# Altium PCB nRF52840-kit.PcbDoc (part 4 of 5)
Units mm, origin at the board's own origin, x right, y up, seen from the top; angles counter-clockwise.
Board outline 48 x 29.82 mm, 4 copper layers (Top Layer, Mid-Layer 1, Mid-Layer 2, Bottom Layer), stack 1.505 mm thick; 383 components, 85 nets, 1399 pads, 1434 vias.
Unrouted connection lines stored in the file: 8.
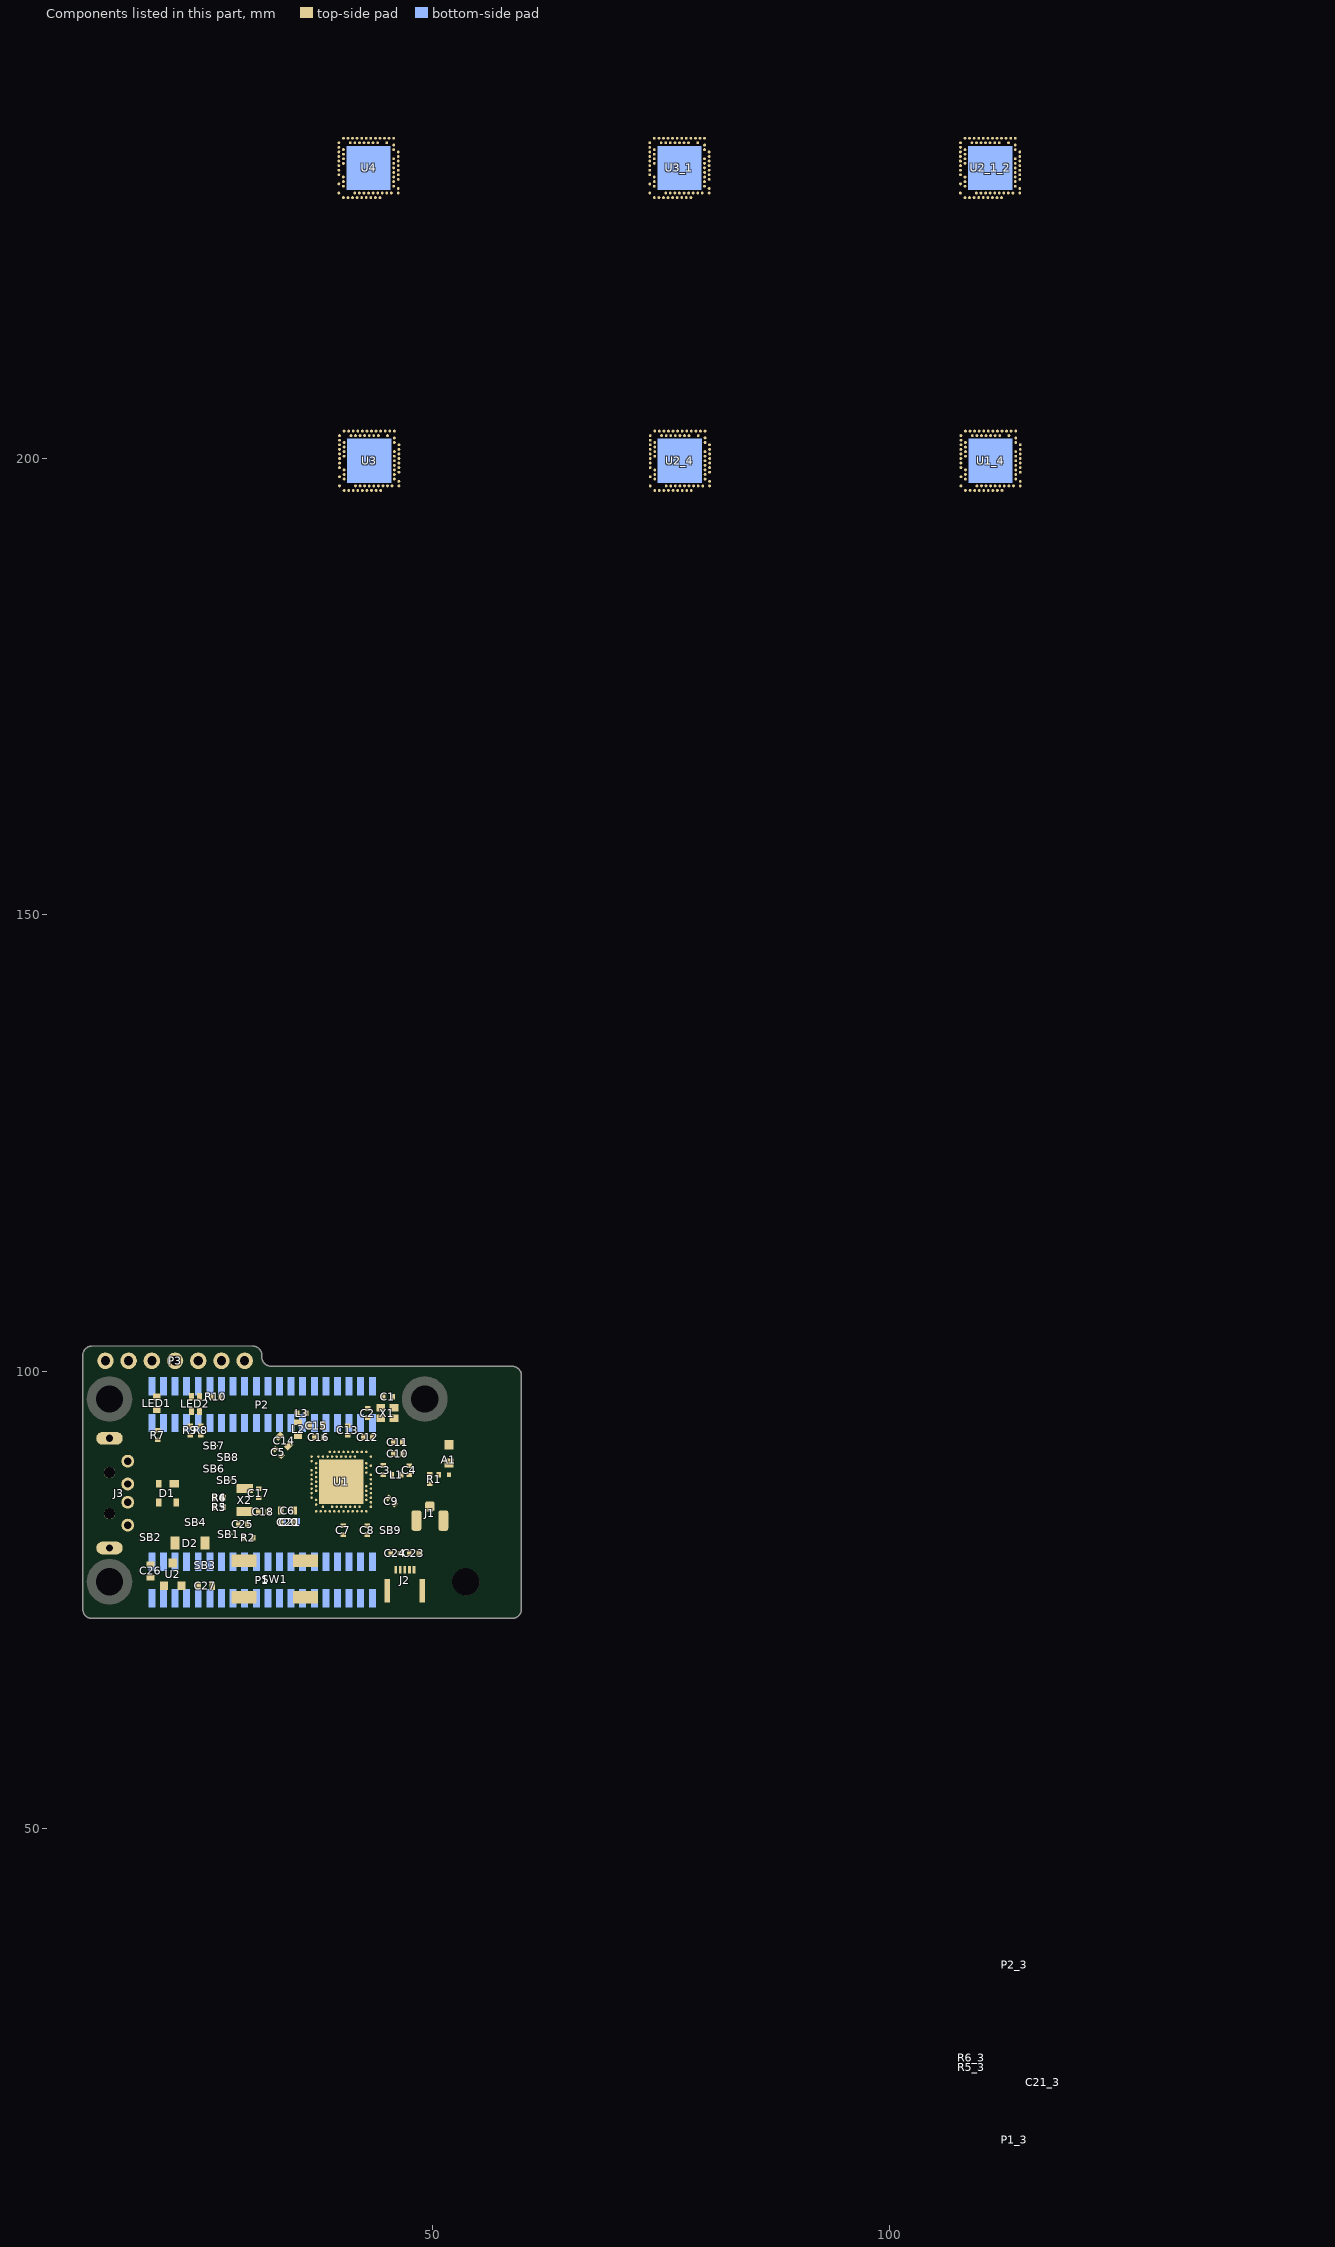
[diagram p6: the components of this part, seen from the top]

## Via types
v1: diameter 0.6, hole 0.3, Top Layer to Bottom Layer, tented both sides, 828 vias
v2: diameter 0.45, hole 0.2, Top Layer to Bottom Layer, tented both sides, 384 vias
v3: diameter 0.4, hole 0.2, Top Layer to Bottom Layer, tented bottom, 126 vias
v4: diameter 0.61, hole 0.305, Top Layer to Bottom Layer, tented bottom, 96 vias

## Nets (pads, with @x,y where several pads share a name; then routed paths per layer and width w, separated by ;. In a path a pad name is that pad's centre, name@x,y a point inside that pad or via, vN(x,y) a via of type N, cw(c..) or ccw(c..) an arc to the next point about the centre after c; other vN are vias at no path point) (continued)
copper on no net: (continued)
  Mid-Layer 2 w0.203: v1(21.539,23.903) 22.351,23.09 v1(25.247,23.09) ; v1(22.214,145.703) 23.026,144.89 v1(25.922,144.89) ; v1(27.067,24.144) 27.176,24.253 cw(c27.71,23.719) 27.71,24.474 cw(c27.71,23.113) 28.672,24.076 ; v1(27.067,25.16) 27.176,25.051 ccw(c27.71,25.585) 27.71,24.83 cw(c27.71,23.113) 28.924,24.327 31.475,21.776 ccw(c33.271,23.573) 33.271,21.033 33.793,21.033 ccw(c33.793,21.77) v1(34.314,21.248) ; v1(27.742,145.944) 27.851,146.053 cw(c28.385,145.519) 28.385,146.274 cw(c28.385,144.913) 29.347,145.876 31.898,143.325 ccw(c33.946,145.373) 33.946,142.477 34.468,142.477 cw(c34.468,141.74) v1(34.989,142.261) ; v1(27.742,146.96) 27.851,146.851 ccw(c28.385,147.385) 28.385,146.63 cw(c28.385,144.913) 29.599,146.127 32.15,143.576 ccw(c33.946,145.373) 33.946,142.833 34.468,142.833 ccw(c34.468,143.57) v1(34.989,143.048) ; 28.673,24.075 31.223,21.525 ccw(c33.271,23.573) 33.271,20.677 33.793,20.677 cw(c33.793,19.94) v1(34.314,20.461) ; v1(103.411,145.617) 104.223,144.804 v1(107.119,144.804) ; v1(103.836,85.042) 104.648,84.229 v1(107.544,84.229) ; v1(103.874,23.678) 104.686,22.865 v1(107.582,22.865) ; v1(108.939,145.858) 109.048,145.967 cw(c109.582,145.433) 109.582,146.188 cw(c109.582,144.827) 110.544,145.79 113.095,143.239 ccw(c115.143,145.287) 115.143,142.391 115.665,142.391 cw(c115.665,141.654) v1(116.186,142.175) ; v1(108.939,146.874) 109.048,146.765 ccw(c109.582,147.299) 109.582,146.544 cw(c109.582,144.827) 110.796,146.041 113.347,143.49 ccw(c115.143,145.287) 115.143,142.747 115.665,142.747 ccw(c115.665,143.484) v1(116.186,142.962) ; v1(109.364,85.283) 109.473,85.392 cw(c110.007,84.858) 110.007,85.613 cw(c110.007,84.252) 110.969,85.215 113.52,82.664 ccw(c115.568,84.712) 115.568,81.816 116.09,81.816 cw(c116.09,81.079) v1(116.611,81.6) ; v1(109.364,86.299) 109.473,86.19 ccw(c110.007,86.724) 110.007,85.969 cw(c110.007,84.252) 111.221,85.466 113.772,82.915 ccw(c115.568,84.712) 115.568,82.172 116.09,82.172 ccw(c116.09,82.909) v1(116.611,82.387) ; v1(109.402,23.919) 109.511,24.028 cw(c110.045,23.494) 110.045,24.249 cw(c110.045,22.888) 111.007,23.851 113.558,21.3 ccw(c115.606,23.348) 115.606,20.452 116.128,20.452 cw(c116.128,19.715) v1(116.649,20.236) ; v1(109.402,24.935) 109.511,24.826 ccw(c110.045,25.36) 110.045,24.605 cw(c110.045,22.888) 111.259,24.102 113.81,21.551 ccw(c115.606,23.348) 115.606,20.808 116.128,20.808 ccw(c116.128,21.545) v1(116.649,21.023)
  Bottom Layer w0.152: v1(22.389,31.134) 22.647,30.876 v1(25.501,30.876) ; v1(23.064,152.934) 23.322,152.676 v1(26.176,152.676) ; v1(24.294,16.635) 24.294,18.159 ; v1(24.969,138.435) 24.969,139.959 ; 25.564,18.159 25.564,16.762 v1(25.818,16.508) ; 25.564,33.357 v2(25.564,34.944) ; 26.239,139.959 26.239,138.562 v1(26.493,138.308) ; 26.239,155.157 v2(26.239,156.744) ; v2(26.821,16.651) 26.834,16.664 26.834,18.159 ; v1(26.834,28.373) 26.834,33.357 v2(26.834,34.944) ; v2(27.496,138.451) 27.509,138.464 27.509,139.959 ; v1(27.509,150.173) 27.509,155.157 v2(27.509,156.744) ; v1(28.034,27.248) 29.374,28.588 v2(29.374,31.642) 29.374,33.357 ; v2(28.091,15.635) 28.104,15.648 28.104,18.159 ; v2(28.104,34.944) 28.104,33.357 28.118,33.344 v1(28.118,29.583) ; v1(28.709,149.048) 30.049,150.388 v2(30.049,153.442) 30.049,155.157 ; v2(28.766,137.435) 28.779,137.448 28.779,139.959 ; v2(28.779,156.744) 28.779,155.157 28.793,155.144 v1(28.793,151.383) ; v2(29.361,15.635) 29.361,18.145 29.374,18.159 ; v2(30.036,137.435) 30.036,139.945 30.049,139.959 ; v2(30.631,15.635) 30.644,15.648 30.644,18.159 ; v2(30.644,31.642) 30.644,33.357 ; v2(30.644,35.833) 30.644,37.357 ; v2(31.306,137.435) 31.319,137.448 31.319,139.959 ; v2(31.319,153.442) 31.319,155.157 ; v2(31.319,157.633) 31.319,159.157 ; v2(31.901,15.635) 31.901,18.145 31.914,18.159 ; v2(31.914,31.642) 31.914,33.357 ; v2(31.914,35.833) 31.914,37.357 ; v2(32.576,137.435) 32.576,139.945 32.589,139.959 ; v2(32.589,153.442) 32.589,155.157 ; v2(32.589,157.633) 32.589,159.157 ; v2(33.171,15.635) 33.184,15.648 33.184,18.159 ; v2(33.184,35.833) 33.184,37.357 ; v2(33.846,137.435) 33.859,137.448 33.859,139.959 ; v2(33.859,157.633) 33.859,159.157 ; v2(34.441,15.635) 34.441,18.145 34.454,18.159 ; v2(34.454,35.833) 34.454,37.357 ; v2(35.116,137.435) 35.116,139.945 35.129,139.959 ; v2(35.129,157.633) 35.129,159.157 ; v2(35.711,15.635) 35.711,14.172 35.724,14.159 ; 35.724,18.159 35.736,18.171 v2(35.736,19.826) ; v2(35.724,35.833) 35.724,37.357 ; v2(36.386,137.435) 36.386,135.972 36.399,135.959 ; 36.399,139.959 36.411,139.971 v2(36.411,141.626) ; v2(36.399,157.633) 36.399,159.157 ; v2(36.74,35.833) 36.994,36.087 36.994,37.357 ; v2(36.981,15.635) 36.981,14.172 36.994,14.159 ; v2(36.981,19.826) 36.981,18.172 36.994,18.159 ; 36.994,33.357 36.994,34.571 v2(37.362,34.939) ; v2(37.415,157.633) 37.669,157.887 37.669,159.157 ; v2(37.656,137.435) 37.656,135.972 37.669,135.959 ; v2(37.656,141.626) 37.656,139.972 37.669,139.959 ; 37.669,155.157 37.669,156.371 v2(38.037,156.739) ; v2(38.01,35.833) 38.264,36.087 38.264,37.357 ; v2(38.251,15.635) 38.251,14.172 38.264,14.159 ; v1(38.251,19.851) 38.251,18.172 38.264,18.159 ; 38.264,33.357 38.264,34.698 v2(38.505,34.939) ; v2(38.685,157.633) 38.939,157.887 38.939,159.157 ; v2(38.926,137.435) 38.926,135.972 38.939,135.959 ; v1(38.926,141.651) 38.926,139.972 38.939,139.959 ; 38.939,155.157 38.939,156.498 v2(39.18,156.739) ; v2(39.394,34.939) 39.534,34.799 39.534,33.357 ; v2(39.521,16.676) 39.534,16.689 39.534,18.159 ; 39.534,14.159 39.534,14.683 40.918,16.067 43.506,16.067 44.079,16.64 44.079,21.897 43.306,22.671 v2(43.306,23.153) ; 39.534,37.357 39.534,36.087 v2(39.788,35.833) ; v2(40.069,156.739) 40.209,156.599 40.209,155.157 ; v2(40.196,138.476) 40.209,138.489 40.209,139.959 ; 40.209,135.959 40.209,136.483 41.593,137.867 44.181,137.867 44.754,138.44 44.754,143.697 43.981,144.471 v2(43.981,144.953) ; 40.209,159.157 40.209,157.887 v2(40.463,157.633) ; v2(40.537,34.939) 40.804,34.672 40.804,33.357 ; v2(40.791,16.651) 40.804,16.664 40.804,18.159 ; 40.804,14.159 40.791,14.172 40.791,14.67 41.909,15.787 43.622,15.787 44.358,16.524 44.358,22.341 v2(44.525,22.341) ; 40.804,37.357 40.804,36.087 v2(41.058,35.833) ; v2(41.212,156.739) 41.479,156.472 41.479,155.157 ; v2(41.466,138.451) 41.479,138.464 41.479,139.959 ; 41.479,135.959 41.466,135.972 41.466,136.47 42.584,137.587 44.297,137.587 45.033,138.324 45.033,144.141 v2(45.2,144.141) ; 41.479,159.157 41.479,157.887 v2(41.733,157.633) ; v2(41.807,34.939) 42.074,34.672 42.074,33.357 ; v2(42.061,16.651) 42.074,16.664 42.074,18.159 ; 42.074,14.159 42.074,14.683 42.874,15.483 43.712,15.483 45.033,16.803 45.033,22.569 44.83,22.772 v2(44.83,23.458) ; 42.074,37.357 42.074,36.087 v2(42.328,35.833) ; v2(42.482,156.739) 42.749,156.472 42.749,155.157 ; v2(42.736,138.451) 42.749,138.464 42.749,139.959 ; 42.749,135.959 42.749,136.483 43.549,137.283 44.387,137.283 45.708,138.603 45.708,144.369 45.505,144.572 v2(45.505,145.258) ; 42.749,159.157 42.749,157.887 v2(43.003,157.633) ; v2(43.09,35.833) 43.344,36.087 43.344,37.357 ; v2(43.331,16.651) 43.344,16.664 43.344,18.159 ; 43.344,14.159 43.344,14.708 45.363,16.727 v2(45.363,23.001) ; 43.344,33.357 43.344,32.64 43.433,32.551 v2(44.169,32.551) ; v2(43.765,157.633) 44.019,157.887 44.019,159.157 ; v2(44.006,138.451) 44.019,138.464 44.019,139.959 ; 44.019,135.959 44.019,136.508 46.038,138.527 v2(46.038,144.801) ; 44.019,155.157 44.019,154.44 44.108,154.351 v2(44.844,154.351) ; v1(104.261,152.848) 104.519,152.59 v1(107.373,152.59) ; v1(104.686,92.273) 104.944,92.015 v1(107.798,92.015) ; v1(104.724,30.909) 104.982,30.651 v1(107.836,30.651) ; v1(106.166,138.349) 106.166,139.873 ; v1(106.591,77.774) 106.591,79.298 ; v1(106.629,16.41) 106.629,17.934 ; 107.436,139.873 107.436,138.476 v1(107.69,138.222) ; 107.436,155.071 v2(107.436,156.658) ; 107.861,79.298 107.861,77.901 v1(108.115,77.647) ; 107.861,94.496 v2(107.861,96.083) ; 107.899,17.934 107.899,16.537 v1(108.153,16.283) ; 107.899,33.132 v2(107.899,34.719) ; v2(108.693,138.365) 108.706,138.378 108.706,139.873 ; v1(108.706,150.087) 108.706,155.071 v2(108.706,156.658) ; v2(109.118,77.79) 109.131,77.803 109.131,79.298 ; v1(109.131,89.512) 109.131,94.496 v2(109.131,96.083) ; v2(109.156,16.426) 109.169,16.439 109.169,17.934 ; v1(109.169,28.148) 109.169,33.132 v2(109.169,34.719) ; v1(109.906,148.962) 111.246,150.302 v2(111.246,153.356) 111.246,155.071 ; v2(109.963,137.349) 109.976,137.362 109.976,139.873 ; v2(109.976,156.658) 109.976,155.071 109.99,155.058 v1(109.99,151.297) ; v1(110.331,88.387) 111.671,89.727 v2(111.671,92.781) 111.671,94.496 ; v1(110.369,27.023) 111.709,28.363 v2(111.709,31.417) 111.709,33.132 ; v2(110.388,76.774) 110.401,76.787 110.401,79.298 ; v2(110.401,96.083) 110.401,94.496 110.415,94.483 v1(110.415,90.722) ; v2(110.426,15.41) 110.439,15.423 110.439,17.934 ; v2(110.439,34.719) 110.439,33.132 110.453,33.119 v1(110.453,29.358) ; v2(111.233,137.349) 111.233,139.859 111.246,139.873 ; v2(111.658,76.774) 111.658,79.284 111.671,79.298 ; v2(111.696,15.41) 111.696,17.921 111.709,17.934 ; v2(112.503,137.349) 112.516,137.362 112.516,139.873 ; v2(112.516,153.356) 112.516,155.071 ; v2(112.516,157.547) 112.516,159.071 ; v2(112.928,76.774) 112.941,76.787 112.941,79.298 ; v2(112.941,92.781) 112.941,94.496 ; v2(112.941,96.972) 112.941,98.496 ; v2(112.966,15.41) 112.979,15.423 112.979,17.934 ; v2(112.979,31.417) 112.979,33.132 ; v2(112.979,35.608) 112.979,37.132 ; v2(113.773,137.349) 113.773,139.859 113.786,139.873 ; v2(113.786,153.356) 113.786,155.071 ; v2(113.786,157.547) 113.786,159.071 ; v2(114.198,76.774) 114.198,79.284 114.211,79.298 ; v2(114.211,92.781) 114.211,94.496 ; v2(114.211,96.972) 114.211,98.496 ; v2(114.236,15.41) 114.236,17.921 114.249,17.934 ; v2(114.249,31.417) 114.249,33.132 ; v2(114.249,35.608) 114.249,37.132 ; v2(115.043,137.349) 115.056,137.362 115.056,139.873 ; v2(115.056,157.547) 115.056,159.071 ; v2(115.468,76.774) 115.481,76.787 115.481,79.298 ; v2(115.481,96.972) 115.481,98.496 ; v2(115.506,15.41) 115.519,15.423 115.519,17.934 ; v2(115.519,35.608) 115.519,37.132 ; v2(116.313,137.349) 116.313,139.859 116.326,139.873 ; v2(116.326,157.547) 116.326,159.071 ; v2(116.738,76.774) 116.738,79.284 116.751,79.298 ; v2(116.751,96.972) 116.751,98.496 ; v2(116.776,15.41) 116.776,17.921 116.789,17.934 ; v2(116.789,35.608) 116.789,37.132 ; v2(117.583,137.349) 117.583,135.886 117.596,135.873 ; 117.596,139.873 117.608,139.885 v2(117.608,141.54) ; v2(117.596,157.547) 117.596,159.071 ; v2(118.008,76.774) 118.008,75.311 118.021,75.298 ; 118.021,79.298 118.033,79.31 v2(118.033,80.965) ; v2(118.021,96.972) 118.021,98.496 ; v2(118.046,15.41) 118.046,13.947 118.059,13.934 ; 118.059,17.934 118.071,17.946 v2(118.071,19.601) ; v2(118.059,35.608) 118.059,37.132 ; v2(118.612,157.547) 118.866,157.801 118.866,159.071 ; v2(118.853,137.349) 118.853,135.886 118.866,135.873 ; v2(118.853,141.54) 118.853,139.886 118.866,139.873 ; 118.866,155.071 118.866,156.285 v2(119.234,156.653) ; v2(119.037,96.972) 119.291,97.226 119.291,98.496 ; v2(119.075,35.608) 119.329,35.862 119.329,37.132 ; v2(119.278,76.774) 119.278,75.311 119.291,75.298 ; v2(119.278,80.965) 119.278,79.311 119.291,79.298 ; 119.291,94.496 119.291,95.71 v2(119.659,96.078) ; v2(119.316,15.41) 119.316,13.947 119.329,13.934 ; v2(119.316,19.601) 119.316,17.947 119.329,17.934 ; 119.329,33.132 119.329,34.346 v2(119.697,34.714) ; v2(119.882,157.547) 120.136,157.801 120.136,159.071 ; v2(120.123,137.349) 120.123,135.886 120.136,135.873 ; v1(120.123,141.565) 120.123,139.886 120.136,139.873 ; 120.136,155.071 120.136,156.412 v2(120.377,156.653) ; v2(120.307,96.972) 120.561,97.226 120.561,98.496 ; v2(120.345,35.608) 120.599,35.862 120.599,37.132 ; v2(120.548,76.774) 120.548,75.311 120.561,75.298 ; v1(120.548,80.99) 120.548,79.311 120.561,79.298 ; 120.561,94.496 120.561,95.837 v2(120.802,96.078) ; v2(120.586,15.41) 120.586,13.947 120.599,13.934 ; v1(120.586,19.626) 120.586,17.947 120.599,17.934 ; 120.599,33.132 120.599,34.473 v2(120.84,34.714) ; v2(121.266,156.653) 121.406,156.513 121.406,155.071 ; v2(121.393,138.39) 121.406,138.403 121.406,139.873 ; 121.406,135.873 121.406,136.397 122.79,137.781 125.378,137.781 125.951,138.354 125.951,143.611 125.178,144.385 v2(125.178,144.867) ; 121.406,159.071 121.406,157.801 v2(121.66,157.547) ; v2(121.691,96.078) 121.831,95.938 121.831,94.496 ; v2(121.729,34.714) 121.869,34.574 121.869,33.132 ; v2(121.818,77.815) 121.831,77.828 121.831,79.298 ; 121.831,75.298 121.831,75.822 123.215,77.206 125.803,77.206 126.376,77.779 126.376,83.036 125.603,83.81 v2(125.603,84.292) ; 121.831,98.496 121.831,97.226 v2(122.085,96.972) ; v2(121.856,16.451) 121.869,16.464 121.869,17.934 ; 121.869,13.934 121.869,14.458 123.253,15.842 125.841,15.842 126.414,16.415 126.414,21.672 125.641,22.446 v2(125.641,22.928) ; 121.869,37.132 121.869,35.862 v2(122.123,35.608) ; v2(122.409,156.653) 122.676,156.386 122.676,155.071 ; v2(122.663,138.365) 122.676,138.378 122.676,139.873 ; 122.676,135.873 122.663,135.886 122.663,136.384 123.781,137.501 125.494,137.501 126.23,138.238 126.23,144.055 v2(126.397,144.055) ; 122.676,159.071 122.676,157.801 v2(122.93,157.547) ; v2(122.834,96.078) 123.101,95.811 123.101,94.496 ; v2(122.872,34.714) 123.139,34.447 123.139,33.132 ; v2(123.088,77.79) 123.101,77.803 123.101,79.298 ; 123.101,75.298 123.088,75.311 123.088,75.809 124.206,76.926 125.919,76.926 126.655,77.663 126.655,83.48 v2(126.822,83.48) ; 123.101,98.496 123.101,97.226 v2(123.355,96.972) ; v2(123.126,16.426) 123.139,16.439 123.139,17.934 ; 123.139,13.934 123.126,13.947 123.126,14.445 124.244,15.562 125.957,15.562 126.693,16.299 126.693,22.116 v2(126.86,22.116) ; 123.139,37.132 123.139,35.862 v2(123.393,35.608) ; v2(123.679,156.653) 123.946,156.386 123.946,155.071 ; v2(123.933,138.365) 123.946,138.378 123.946,139.873 ; 123.946,135.873 123.946,136.397 124.746,137.197 125.584,137.197 126.905,138.517 126.905,144.283 126.702,144.486 v2(126.702,145.172) ; 123.946,159.071 123.946,157.801 v2(124.2,157.547) ; v2(124.104,96.078) 124.371,95.811 124.371,94.496 ; v2(124.142,34.714) 124.409,34.447 124.409,33.132 ; v2(124.358,77.79) 124.371,77.803 124.371,79.298 ; 124.371,75.298 124.371,75.822 125.171,76.622 126.009,76.622 127.33,77.942 127.33,83.708 127.127,83.911 v2(127.127,84.597) ; 124.371,98.496 124.371,97.226 v2(124.625,96.972) ; v2(124.396,16.426) 124.409,16.439 124.409,17.934 ; 124.409,13.934 124.409,14.458 125.209,15.258 126.047,15.258 127.368,16.578 127.368,22.344 127.165,22.547 v2(127.165,23.233) ; 124.409,37.132 124.409,35.862 v2(124.663,35.608) ; v2(124.962,157.547) 125.216,157.801 125.216,159.071 ; v2(125.203,138.365) 125.216,138.378 125.216,139.873 ; 125.216,135.873 125.216,136.422 127.235,138.441 v2(127.235,144.715) ; 125.216,155.071 125.216,154.354 125.305,154.265 v2(126.041,154.265) ; v2(125.387,96.972) 125.641,97.226 125.641,98.496 ; v2(125.425,35.608) 125.679,35.862 125.679,37.132 ; v2(125.628,77.79) 125.641,77.803 125.641,79.298 ; 125.641,75.298 125.641,75.847 127.66,77.866 v2(127.66,84.14) ; 125.641,94.496 125.641,93.779 125.73,93.69 v2(126.466,93.69) ; v2(125.666,16.426) 125.679,16.439 125.679,17.934 ; 125.679,13.934 125.679,14.483 127.698,16.502 v2(127.698,22.776) ; 125.679,33.132 125.679,32.415 125.768,32.326 v2(126.504,32.326)
  Bottom Layer w0.203: 21.754,18.159 21.856,18.26 ccw(c20.997,19.119) 22.211,19.119 22.211,21.517 cw(c24.751,21.517) 22.955,23.314 23.727,24.086 cw(c25.524,22.29) 25.524,24.83 25.564,24.83 ccw(c25.564,25.247) 25.859,24.952 26.067,25.16 ; 22.429,139.959 22.531,140.06 ccw(c21.672,140.919) 22.886,140.919 22.886,143.317 cw(c25.426,143.317) 23.63,145.114 24.402,145.886 cw(c26.199,144.09) 26.199,146.63 26.239,146.63 ccw(c26.239,147.047) 26.534,146.752 26.742,146.96 ; 23.024,18.159 22.922,18.26 cw(c23.781,19.119) 22.567,19.119 22.567,21.223 cw(c25.462,21.223) 23.415,23.27 23.95,23.806 cw(c25.564,22.192) 25.564,24.474 cw(c25.564,24.057) 25.859,24.352 26.067,24.144 ; 23.699,139.959 23.597,140.06 cw(c24.456,140.919) 23.242,140.919 23.242,143.023 cw(c26.137,143.023) 24.09,145.07 24.625,145.606 cw(c26.239,143.992) 26.239,146.274 cw(c26.239,145.857) 26.534,146.152 26.742,145.944 ; 35.123,22.493 v1(35.948,22.493) ; 35.798,144.293 v1(36.623,144.293) ; v1(37.248,30.88) 41.464,30.88 42.861,29.483 v1(44.487,29.483) ; v1(37.923,152.68) 42.139,152.68 43.536,151.283 v1(45.162,151.283) ; 103.626,139.873 103.728,139.974 ccw(c102.869,140.833) 104.083,140.833 104.083,143.231 cw(c106.623,143.231) 104.827,145.028 105.599,145.8 cw(c107.396,144.004) 107.396,146.544 107.436,146.544 ccw(c107.436,146.961) 107.731,146.666 107.939,146.874 ; 104.051,79.298 104.153,79.399 ccw(c103.294,80.258) 104.508,80.258 104.508,82.656 cw(c107.048,82.656) 105.252,84.453 106.024,85.225 cw(c107.821,83.429) 107.821,85.969 107.861,85.969 ccw(c107.861,86.386) 108.156,86.091 108.364,86.299 ; 104.089,17.934 104.191,18.035 ccw(c103.332,18.894) 104.546,18.894 104.546,21.292 cw(c107.086,21.292) 105.29,23.089 106.062,23.861 cw(c107.859,22.065) 107.859,24.605 107.899,24.605 ccw(c107.899,25.022) 108.194,24.727 108.402,24.935 ; 104.896,139.873 104.794,139.974 cw(c105.653,140.833) 104.439,140.833 104.439,142.937 cw(c107.334,142.937) 105.287,144.984 105.822,145.52 cw(c107.436,143.906) 107.436,146.188 cw(c107.436,145.771) 107.731,146.066 107.939,145.858 ; 105.321,79.298 105.219,79.399 cw(c106.078,80.258) 104.864,80.258 104.864,82.362 cw(c107.759,82.362) 105.712,84.409 106.247,84.945 cw(c107.861,83.331) 107.861,85.613 cw(c107.861,85.196) 108.156,85.491 108.364,85.283 ; 105.359,17.934 105.257,18.035 cw(c106.116,18.894) 104.902,18.894 104.902,20.998 cw(c107.797,20.998) 105.75,23.045 106.285,23.581 cw(c107.899,21.967) 107.899,24.249 cw(c107.899,23.832) 108.194,24.127 108.402,23.919 ; 116.995,144.207 v1(117.82,144.207) ; 117.42,83.632 v1(118.245,83.632) ; 117.458,22.268 v1(118.283,22.268) ; v1(119.12,152.594) 123.336,152.594 124.733,151.197 v1(126.359,151.197) ; v1(119.545,92.019) 123.761,92.019 125.158,90.622 v1(126.784,90.622) ; v1(119.583,30.655) 123.799,30.655 125.196,29.258 v1(126.822,29.258)
  Bottom Layer w0.762: 18.11,37.357 19.214,37.357 20.484,37.357 21.754,37.357 23.024,37.357 24.294,37.357 ; 18.785,159.157 19.889,159.157 21.159,159.157 22.429,159.157 23.699,159.157 24.969,159.157 ; 19.214,14.159 20.484,14.159 21.754,14.159 23.024,14.159 ; 19.889,135.959 21.159,135.959 22.429,135.959 23.699,135.959 ; 99.982,159.071 101.086,159.071 102.356,159.071 103.626,159.071 104.896,159.071 106.166,159.071 ; 100.407,98.496 101.511,98.496 102.781,98.496 104.051,98.496 105.321,98.496 106.591,98.496 ; 100.445,37.132 101.549,37.132 102.819,37.132 104.089,37.132 105.359,37.132 106.629,37.132 ; 101.086,135.873 102.356,135.873 103.626,135.873 104.896,135.873 ; 101.511,75.298 102.781,75.298 104.051,75.298 105.321,75.298 ; 101.549,13.934 102.819,13.934 104.089,13.934 105.359,13.934
  other v1: 100.295,12.52 128.514,12.52 131.054,12.52 133.594,12.52 17.96,12.745 46.179,12.745 48.719,12.745 51.259,12.745 104.089,13.383 105.359,13.383 21.754,13.608 23.024,13.608 96.987,13.732 14.652,13.957 132.324,14.044 133.594,14.044 95.587,14.232 49.989,14.269 51.259,14.269 98.287,14.332 13.252,14.457 104.089,14.526 105.359,14.526 15.952,14.557 21.754,14.751 23.024,14.751 128.235,14.775 130.235,14.775 45.9,15 47.9,15 109.464,15.212 133.594,15.314 27.129,15.437 51.259,15.539 94.987,15.732 98.915,15.743 12.652,15.957 16.58,15.968 100.523,16.05 103.698,16.152 18.188,16.275 21.363,16.377 132.324,16.584 133.594,16.584 49.989,16.809 51.259,16.809 95.487,17.132 98.387,17.132 101.549,17.32 102.819,17.32 13.152,17.357 16.052,17.357 19.214,17.545 20.484,17.545 96.987,17.732 131.054,17.854 133.594,17.854 14.652,17.957 48.719,18.079 51.259,18.079 101.549,18.59 102.819,18.59 19.214,18.815 20.484,18.815 132.324,19.124 133.594,19.124 49.989,19.349 51.259,19.349 110.963,19.53 28.628,19.755 130.673,20.013 48.338,20.238 128.26,20.267 133.594,20.394 45.925,20.492 102.632,20.572 51.259,20.619 20.297,20.797 131.943,21.156 49.608,21.381 102.438,21.511 109.007,21.588 130.165,21.664 133.594,21.664 20.103,21.736 26.672,21.813 101.587,21.848 47.83,21.889 51.259,21.889 19.252,22.073 102.438,22.146 103.073,22.146 20.103,22.371 20.738,22.371 131.054,22.934 132.578,22.934 48.719,23.159 50.243,23.159 128.387,23.315 114.925,23.34 100.6,23.467 46.052,23.54 32.59,23.565 18.265,23.692 117.932,24.305 133.594,24.331 35.597,24.53 51.259,24.556 130.546,24.712 112.284,24.89 117.342,24.911 48.211,24.937 29.949,25.115 35.007,25.136 96.79,25.448 133.594,25.601 14.455,25.673 51.259,25.826 107.254,26.083 24.919,26.308 105.68,26.337 128.768,26.49 131.054,26.49 133.594,26.49 23.345,26.562 46.433,26.715 48.719,26.715 51.259,26.715 112.969,27.201 30.634,27.426 107.28,27.455 24.945,27.68 110.81,28.344 128.768,28.522 131.054,28.522 133.594,28.522 28.475,28.569 46.433,28.747 48.719,28.747 51.259,28.747 102.887,28.948 20.552,29.173 105.248,29.182 22.913,29.407 132.324,29.538 133.594,29.538 49.989,29.763 51.259,29.763 117.678,30.274 35.343,30.499 131.054,30.554 133.594,30.554 124.917,30.655 48.719,30.779 51.259,30.779 42.582,30.88 109.82,31.316 27.485,31.541 132.324,31.824 133.594,31.824 49.989,32.049 51.259,32.049 128.26,32.205 45.925,32.43 130.445,32.611 48.11,32.836 100.787,32.948 133.594,33.094 18.452,33.173 51.259,33.319 96.987,33.732 131.487,33.732 14.652,33.957 49.152,33.957 95.587,34.232 130.087,34.232 98.287,34.332 132.787,34.332 133.594,34.364 13.252,34.457 47.752,34.457 15.952,34.557 50.452,34.557 51.259,34.589 104.079,34.796 21.744,35.021 111.649,35.1 29.314,35.325 94.987,35.732 129.487,35.732 98.915,35.743 133.415,35.743 12.652,35.957 16.58,35.968 47.152,35.957 51.08,35.968 100.318,36.784 17.983,37.009 127.498,37.031 95.487,37.132 98.387,37.132 129.987,37.132 132.887,37.132 133.587,37.148 45.163,37.256 13.152,37.357 16.052,37.357 47.652,37.357 50.552,37.357 51.252,37.373 100.318,37.419 17.983,37.644 96.987,37.732 131.487,37.732 14.652,37.957 49.152,37.957 100.318,38.054 17.983,38.279 100.318,38.689 115.814,38.748 120.894,38.748 125.974,38.748 128.514,38.748 131.054,38.748 133.587,38.748 17.983,38.914 33.479,38.973 38.559,38.973 43.639,38.973 46.179,38.973 48.719,38.973 51.252,38.973 102.819,40.942 107.899,40.942 20.484,41.167 25.564,41.167 100.257,73.884 128.476,73.884 131.016,73.884 133.556,73.884 104.051,74.747 105.321,74.747 96.949,75.096 132.286,75.408 133.556,75.408 95.549,75.596 98.249,75.696 104.051,75.89 105.321,75.89 128.197,76.139 130.197,76.139 109.426,76.576 133.556,76.678 94.949,77.096 98.877,77.107 100.485,77.414 103.66,77.516 132.286,77.948 133.556,77.948 95.449,78.496 98.349,78.496 101.511,78.684 102.781,78.684 96.949,79.096 131.016,79.218 133.556,79.218 101.511,79.954 102.781,79.954 132.286,80.488 133.556,80.488 110.925,80.894 130.635,81.377 128.222,81.631 133.556,81.758 102.594,81.936 131.905,82.52 102.4,82.875 108.969,82.952 130.127,83.028 133.556,83.028 101.549,83.212 102.4,83.51 103.035,83.51 131.016,84.298 132.54,84.298 128.349,84.679 114.887,84.704 100.562,84.831 117.894,85.669 133.556,85.695 130.508,86.076 112.246,86.254 117.304,86.275 96.752,86.812 133.556,86.965 107.216,87.447 105.642,87.701 128.73,87.854 131.016,87.854 133.556,87.854 112.931,88.565 107.242,88.819 110.772,89.708 128.73,89.886 131.016,89.886 133.556,89.886 102.849,90.312 105.21,90.546 132.286,90.902 133.556,90.902 117.64,91.638 131.016,91.918 133.556,91.918 124.879,92.019 109.782,92.68 132.286,93.188 133.556,93.188 128.222,93.569 130.407,93.975 100.749,94.312 133.556,94.458 96.949,95.096 131.449,95.096 95.549,95.596 130.049,95.596 98.249,95.696 132.749,95.696 133.556,95.728 104.041,96.16 111.611,96.464 94.949,97.096 98.877,97.107 129.449,97.096 133.377,97.107 100.28,98.148 127.46,98.395 95.449,98.496 98.349,98.496 129.949,98.496 132.849,98.496 133.549,98.512 100.28,98.783 96.949,99.096 131.449,99.096 100.28,99.418 100.28,100.053 115.776,100.112 120.856,100.112 125.936,100.112 128.476,100.112 131.016,100.112 133.549,100.112 102.781,102.306 107.861,102.306 99.832,134.459 128.051,134.459 130.591,134.459 133.131,134.459 18.635,134.545 46.854,134.545 49.394,134.545 51.934,134.545 103.626,135.322 104.896,135.322 22.429,135.408 23.699,135.408 96.524,135.671 15.327,135.757 131.861,135.983 133.131,135.983 50.664,136.069 51.934,136.069 95.124,136.171 13.927,136.257 97.824,136.271 16.627,136.357 103.626,136.465 104.896,136.465 22.429,136.551 23.699,136.551 127.772,136.714 129.772,136.714 46.575,136.8 48.575,136.8 109.001,137.151 27.804,137.237 133.131,137.253 51.934,137.339 94.524,137.671 98.452,137.682 13.327,137.757 17.255,137.768 100.06,137.989 18.863,138.075 103.235,138.091 22.038,138.177 131.861,138.523 133.131,138.523 50.664,138.609 51.934,138.609 95.024,139.071 97.924,139.071 13.827,139.157 16.727,139.157 101.086,139.259 102.356,139.259 19.889,139.345 21.159,139.345 96.524,139.671 15.327,139.757 130.591,139.793 133.131,139.793 49.394,139.879 51.934,139.879 101.086,140.529 102.356,140.529 19.889,140.615 21.159,140.615 131.861,141.063 133.131,141.063 50.664,141.149 51.934,141.149 110.5,141.469 29.303,141.555 130.21,141.952 49.013,142.038 127.797,142.206 46.6,142.292 133.131,142.333 51.934,142.419 102.169,142.511 20.972,142.597 131.48,143.095 50.283,143.181 101.975,143.45 20.778,143.536 108.544,143.527 27.347,143.613 129.702,143.603 133.131,143.603 48.505,143.689 51.934,143.689 101.124,143.787 19.927,143.873 101.975,144.085 102.61,144.085 20.778,144.171 21.413,144.171 130.591,144.873 132.115,144.873 49.394,144.959 50.918,144.959 127.924,145.254 114.462,145.279 46.727,145.34 33.265,145.365 100.137,145.406 18.94,145.492 117.469,146.244 133.131,146.27 36.272,146.33 51.934,146.356 130.083,146.651 48.886,146.737 111.821,146.829 116.879,146.85 30.624,146.915 35.682,146.936 96.327,147.387 15.13,147.473 133.131,147.54 51.934,147.626 106.791,148.022 25.594,148.108 105.217,148.276 24.02,148.362 128.305,148.429 130.591,148.429 133.131,148.429 47.108,148.515 49.394,148.515 51.934,148.515 112.506,149.14 31.309,149.226 106.817,149.394 25.62,149.48 110.347,150.283 29.15,150.369 128.305,150.461 130.591,150.461 133.131,150.461 47.108,150.547 49.394,150.547 51.934,150.547 102.424,150.887 21.227,150.973 104.785,151.121 23.588,151.207 131.861,151.477 133.131,151.477 50.664,151.563 51.934,151.563 117.215,152.213 36.018,152.299 130.591,152.493 133.131,152.493 49.394,152.579 51.934,152.579 124.454,152.594 43.257,152.68 109.357,153.255 28.16,153.341 131.861,153.763 133.131,153.763 50.664,153.849 51.934,153.849 127.797,154.144 46.6,154.23 129.982,154.55 48.785,154.636 100.324,154.887 19.127,154.973 133.131,155.033 51.934,155.119 96.524,155.671 131.024,155.671 15.327,155.757 49.827,155.757 95.124,156.171 129.624,156.171 13.927,156.257 48.427,156.257 97.824,156.271 132.324,156.271 133.131,156.303 16.627,156.357 51.127,156.357 51.934,156.389 103.616,156.735 22.419,156.821 111.186,157.039 29.989,157.125 94.524,157.671 98.452,157.682 129.024,157.671 132.952,157.682 13.327,157.757 47.827,157.757 17.255,157.768 51.755,157.768 99.855,158.723 18.658,158.809 127.035,158.97 45.838,159.056 95.024,159.071 97.924,159.071 129.524,159.071 132.424,159.071 133.124,159.087 13.827,159.157 16.727,159.157 48.327,159.157 51.227,159.157 51.927,159.173 99.855,159.358 18.658,159.444 96.524,159.671 131.024,159.671 15.327,159.757 49.827,159.757 99.855,159.993 18.658,160.079 99.855,160.628 115.351,160.687 120.431,160.687 125.511,160.687 128.051,160.687 130.591,160.687 133.124,160.687 18.658,160.714 34.154,160.773 39.234,160.773 44.314,160.773 46.854,160.773 49.394,160.773 51.927,160.773 102.356,162.881 107.436,162.881 21.159,162.967 26.239,162.967
  other v2: 105.375,12.317 110.455,12.317 115.535,12.317 118.075,12.317 120.615,12.317 123.155,12.317 125.695,12.317 23.04,12.542 28.12,12.542 33.2,12.542 35.74,12.542 38.28,12.542 40.82,12.542 43.36,12.542 128.135,17.975 45.8,18.2 105.987,20.548 23.652,20.773 124.829,21.265 42.494,21.49 122.516,22.649 103.687,22.848 40.181,22.874 21.352,23.073 105.337,73.681 110.417,73.681 115.497,73.681 118.037,73.681 120.577,73.681 123.117,73.681 125.657,73.681 128.097,79.339 105.949,81.912 124.791,82.629 122.478,84.013 103.649,84.212 104.912,134.256 109.992,134.256 115.072,134.256 117.612,134.256 120.152,134.256 122.692,134.256 125.232,134.256 23.715,134.342 28.795,134.342 33.875,134.342 36.415,134.342 38.955,134.342 41.495,134.342 44.035,134.342 127.672,139.914 46.475,140 105.524,142.487 24.327,142.573 124.366,143.204 43.169,143.29 122.053,144.588 40.856,144.674 103.224,144.787 22.027,144.873
  other v4: 120.475,24.901 121.675,24.901 122.875,24.901 124.075,24.901 38.14,25.126 39.34,25.126 40.54,25.126 41.74,25.126 120.475,26.101 121.675,26.101 122.875,26.101 124.075,26.101 38.14,26.326 39.34,26.326 40.54,26.326 41.74,26.326 120.475,27.301 121.675,27.301 124.075,27.301 38.14,27.526 39.34,27.526 41.74,27.526 120.475,28.501 121.675,28.501 122.875,28.501 124.075,28.501 38.14,28.726 39.34,28.726 40.54,28.726 41.74,28.726 120.437,86.265 121.637,86.265 122.837,86.265 124.037,86.265 120.437,87.465 121.637,87.465 122.837,87.465 124.037,87.465 120.437,88.665 121.637,88.665 124.037,88.665 120.437,89.865 121.637,89.865 122.837,89.865 124.037,89.865 120.012,146.84 121.212,146.84 122.412,146.84 123.612,146.84 38.815,146.926 40.015,146.926 41.215,146.926 42.415,146.926 120.012,148.04 121.212,148.04 122.412,148.04 123.612,148.04 38.815,148.126 40.015,148.126 41.215,148.126 42.415,148.126 120.012,149.24 121.212,149.24 123.612,149.24 38.815,149.326 40.015,149.326 42.415,149.326 120.012,150.44 121.212,150.44 122.412,150.44 123.612,150.44 38.815,150.526 40.015,150.526 41.215,150.526 42.415,150.526

## Polygon pours and split planes (outlines as drawn)
no net on Mid-Layer 2 "Mid Layer 2-VDD" (solid, remove dead copper, pour order 40): 9.894,165.263 62.394,165.263 62.394,130.263 9.894,130.263
no net on Mid-Layer 2 "Mid Layer 2-VDD" (solid, remove dead copper, pour order 32): 91.091,165.177 143.591,165.177 143.591,130.177 91.091,130.177
VDD_nRF on Mid-Layer 2 "Mid Layer 2-VDD" (solid, remove dead copper, pour order 4): 9.24,104.515 61.74,104.515 61.74,69.515 9.24,69.515
no net on Mid-Layer 2 "Mid Layer 2-VDD" (solid, remove dead copper, pour order 8): 91.516,104.602 144.016,104.602 144.016,69.602 91.516,69.602
no net on Mid-Layer 2 "Mid Layer 2-VDD" (solid, remove dead copper, pour order 16): 9.219,43.463 61.719,43.463 61.719,8.463 9.219,8.463
no net on Mid-Layer 2 "Mid Layer 2-VDD" (solid, remove dead copper, pour order 24): 91.554,43.238 144.054,43.238 144.054,8.238 91.554,8.238
no net on Mid-Layer 1 "Mid Layer 1-GND" (solid, remove dead copper, pour order 42): 9.894,165.263 62.394,165.263 62.394,130.263 9.894,130.263
no net on Mid-Layer 1 "Mid Layer 1-GND" (solid, remove dead copper, pour order 34): 91.091,165.177 143.591,165.177 143.591,130.177 91.091,130.177
GND on Mid-Layer 1 "Mid Layer 1-GND" (solid, remove dead copper, pour order 6): 9.24,104.515 61.74,104.515 61.74,69.515 9.24,69.515
no net on Mid-Layer 1 "Mid Layer 1-GND" (solid, remove dead copper, pour order 10): 91.516,104.602 144.016,104.602 144.016,69.602 91.516,69.602
no net on Mid-Layer 1 "Mid Layer 1-GND" (solid, remove dead copper, pour order 18): 9.219,43.463 61.719,43.463 61.719,8.463 9.219,8.463
no net on Mid-Layer 1 "Mid Layer 1-GND" (solid, remove dead copper, pour order 26): 91.554,43.238 144.054,43.238 144.054,8.238 91.554,8.238
no net on Bottom Layer "Bottom Layer-GND" (solid, remove dead copper, pour order 44): 7.192,129.734 62.192,129.734 62.192,164.734 7.192,164.734
no net on Bottom Layer "Bottom Layer-GND" (solid, remove dead copper, pour order 36): 88.389,129.648 143.389,129.648 143.389,164.648 88.389,164.648
GND on Bottom Layer "Bottom Layer-GND" (solid, remove dead copper, pour order 2): 6.538,68.986 61.538,68.986 61.538,103.986 6.538,103.986
no net on Bottom Layer "Bottom Layer-GND" (solid, remove dead copper, pour order 14): 88.814,69.073 143.814,69.073 143.814,104.073 88.814,104.073
no net on Bottom Layer "Bottom Layer-GND" (solid, remove dead copper, pour order 22): 6.517,7.934 61.517,7.934 61.517,42.934 6.517,42.934
no net on Bottom Layer "Bottom Layer-GND" (solid, remove dead copper, pour order 28): 88.852,7.709 143.852,7.709 143.852,42.709 88.852,42.709
no net on Top Layer "Top Layer-GND" (solid, remove dead copper, pour order 46): 10.231,129.496 65.231,129.496 65.231,164.496 10.231,164.496
no net on Top Layer "Top Layer-GND" (solid, remove dead copper, pour order 38): 91.428,129.41 146.428,129.41 146.428,164.41 91.428,164.41
GND on Top Layer "Top Layer-GND" (solid, remove dead copper, pour order 0): 9.577,68.748 64.577,68.748 64.577,103.748 9.577,103.748
no net on Top Layer "Top Layer-GND" (solid, remove dead copper, pour order 12): 91.853,68.835 146.853,68.835 146.853,103.835 91.853,103.835
no net on Top Layer "Top Layer-GND" (solid, remove dead copper, pour order 20): 9.556,7.696 64.556,7.696 64.556,42.696 9.556,42.696
no net on Top Layer "Top Layer-GND" (solid, remove dead copper, pour order 30): 91.891,7.471 146.891,7.471 146.891,42.471 91.891,42.471

## Keep-outs
Keep-Out Layer:
  lines w0.152: 30.273,102.825 cw(c30.266,101.817) 31.273,101.809 ; 30.273,102.825 12.673,102.809 ccw(c12.673,101.809) 11.673,101.809 11.673,74.009 ccw(c12.673,74.009) 12.673,73.009 58.673,73.009 ccw(c58.673,74.009) 59.673,74.009 59.673,99.609 ccw(c58.673,99.609) 58.673,100.609 32.273,100.609 cw(c32.281,101.617) 31.273,101.625 ; 31.252,40.573 ccw(c32.26,40.565) 32.252,39.557 58.652,39.557 cw(c58.652,38.557) 59.652,38.557 59.652,12.957 cw(c58.652,12.957) 58.652,11.957 12.652,11.957 cw(c12.652,12.957) 11.652,12.957 11.652,40.757 cw(c12.652,40.757) 12.652,41.757 30.252,41.773 cw(c30.245,40.765) 31.252,40.757 ; 31.252,40.573 ccw(c31.252,40.573) 31.252,40.573 ; 31.252,40.573 31.252,40.757 ; 31.252,40.757 ccw(c31.252,40.757) 31.252,40.757 ; 31.273,101.625 ccw(c31.273,101.625) 31.273,101.625 ; 31.273,101.625 31.273,101.809 ; 31.273,101.809 ccw(c31.273,101.809) 31.273,101.809 ; 31.927,162.373 ccw(c31.927,162.373) 31.927,162.373 ; 31.927,162.373 ccw(c32.935,162.365) 32.927,161.357 59.327,161.357 cw(c59.327,160.357) 60.327,160.357 60.327,134.757 cw(c59.327,134.757) 59.327,133.757 13.327,133.757 cw(c13.327,134.757) 12.327,134.757 12.327,162.557 cw(c13.327,162.557) 13.327,163.557 30.927,163.573 cw(c30.92,162.565) 31.927,162.557 ; 31.927,162.373 31.927,162.557 ; 31.927,162.557 ccw(c31.927,162.557) 31.927,162.557 ; 113.124,162.287 ccw(c113.124,162.287) 113.124,162.287 ; 113.124,162.287 ccw(c114.132,162.279) 114.124,161.271 140.524,161.271 cw(c140.524,160.271) 141.524,160.271 141.524,134.671 cw(c140.524,134.671) 140.524,133.671 94.524,133.671 cw(c94.524,134.671) 93.524,134.671 93.524,162.471 cw(c94.524,162.471) 94.524,163.471 112.124,163.487 cw(c112.117,162.479) 113.124,162.471 ; 113.124,162.287 113.124,162.471 ; 113.124,162.471 ccw(c113.124,162.471) 113.124,162.471 ; 113.549,101.712 ccw(c114.557,101.704) 114.549,100.696 140.949,100.696 cw(c140.949,99.696) 141.949,99.696 141.949,74.096 cw(c140.949,74.096) 140.949,73.096 94.949,73.096 cw(c94.949,74.096) 93.949,74.096 93.949,101.896 cw(c94.949,101.896) 94.949,102.896 112.549,102.912 cw(c112.542,101.904) 113.549,101.896 ; 113.549,101.712 ccw(c113.549,101.712) 113.549,101.712 ; 113.549,101.712 113.549,101.896 ; 113.549,101.896 ccw(c113.549,101.896) 113.549,101.896 ; 113.587,40.348 ccw(c114.595,40.34) 114.587,39.332 140.987,39.332 cw(c140.987,38.332) 141.987,38.332 141.987,12.732 cw(c140.987,12.732) 140.987,11.732 94.987,11.732 cw(c94.987,12.732) 93.987,12.732 93.987,40.532 cw(c94.987,40.532) 94.987,41.532 112.587,41.548 cw(c112.58,40.54) 113.587,40.532 ; 113.587,40.348 ccw(c113.587,40.348) 113.587,40.348 ; 113.587,40.348 113.587,40.532 ; 113.587,40.532 ccw(c113.587,40.532) 113.587,40.532